# Altium PCB PCB.PcbDoc
Units mm, origin at the board's own origin, x right, y up, seen from the top; angles counter-clockwise.
Board outline 100 x 100 mm, 2 copper layers (Top Layer, Bottom Layer), stack 1.67 mm thick; 79 components, 64 nets, 283 pads, 10 vias.
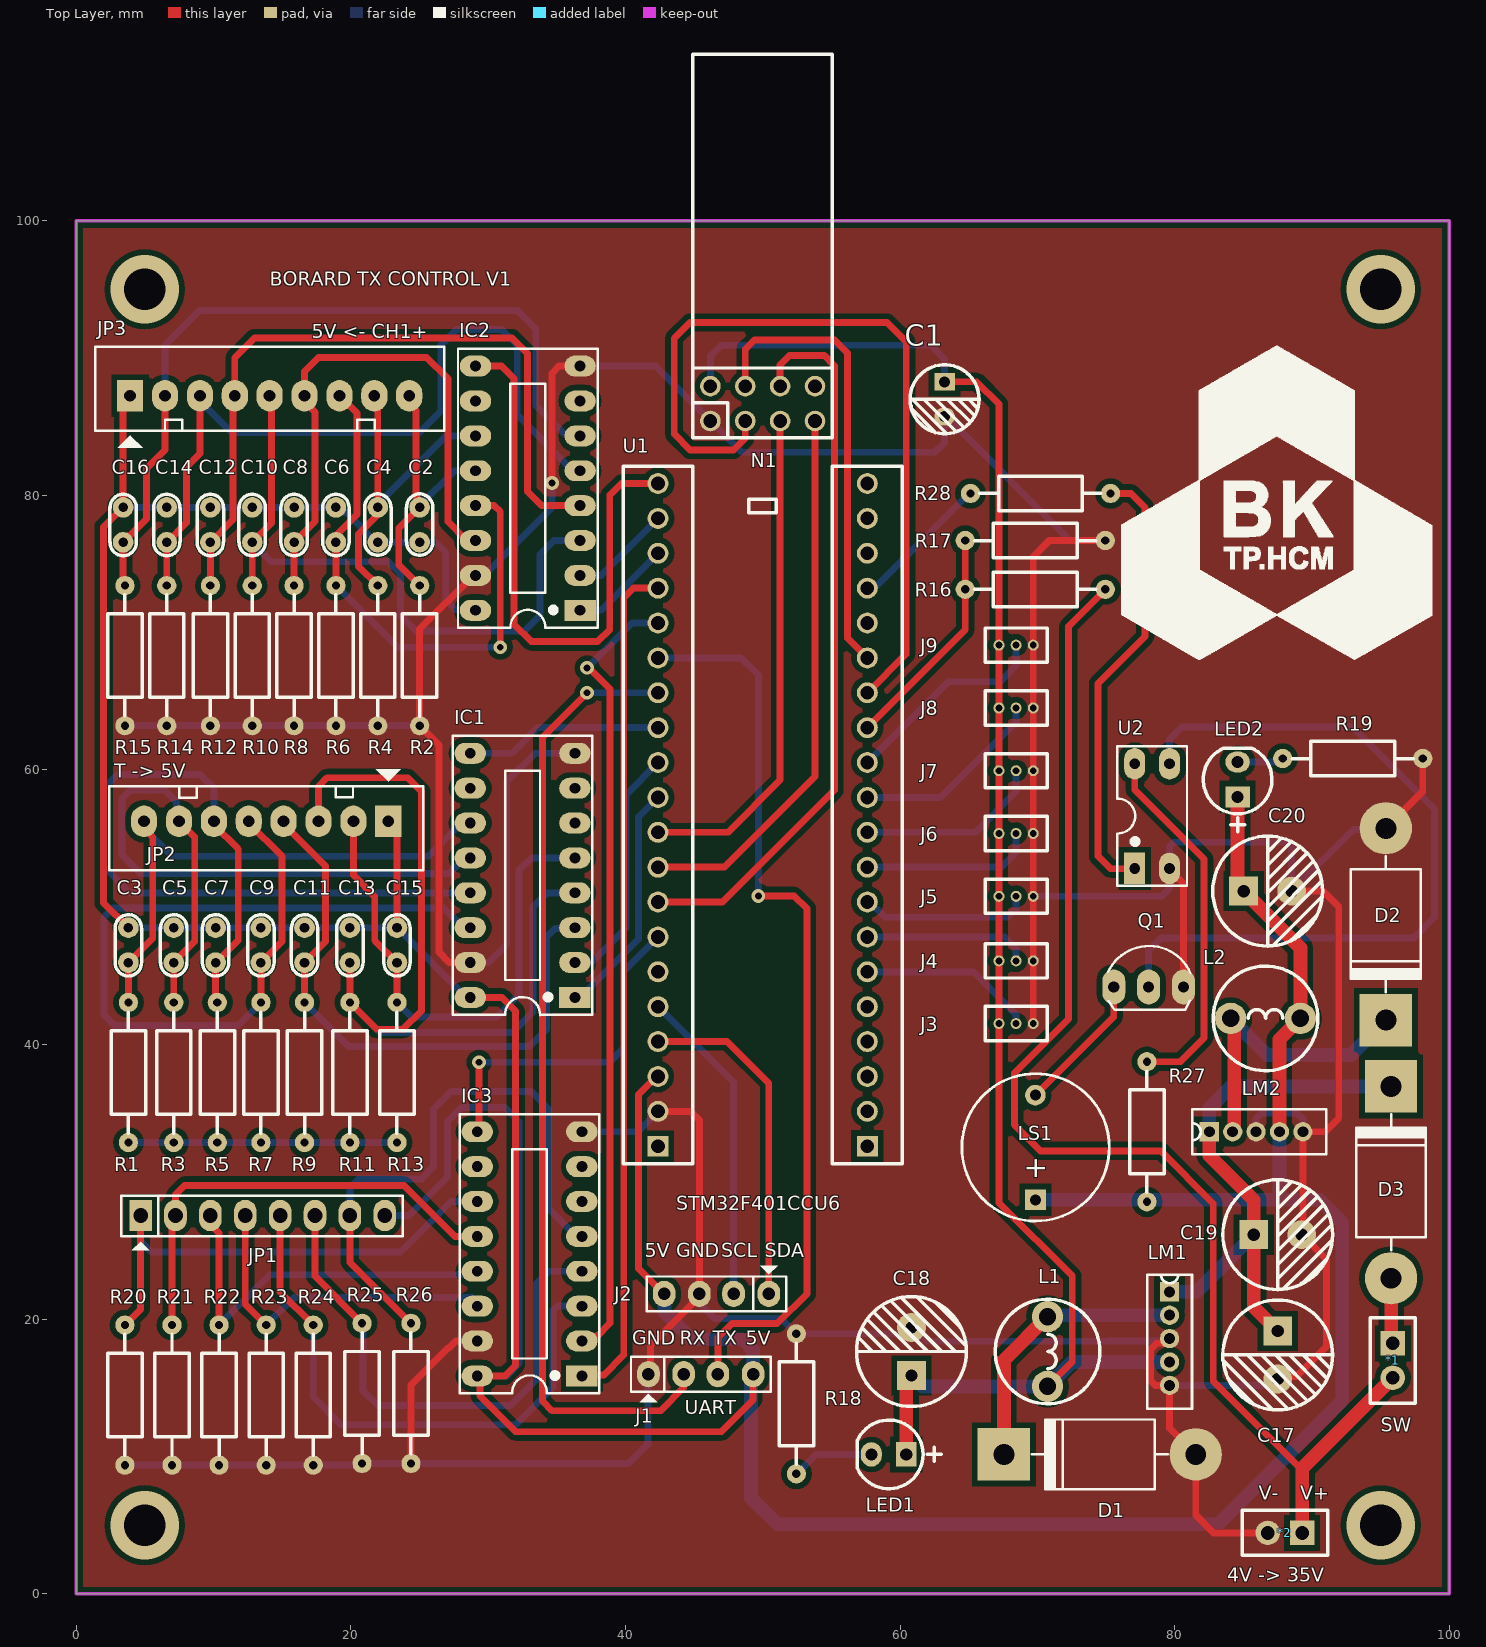
[diagram p0: Top Layer view]
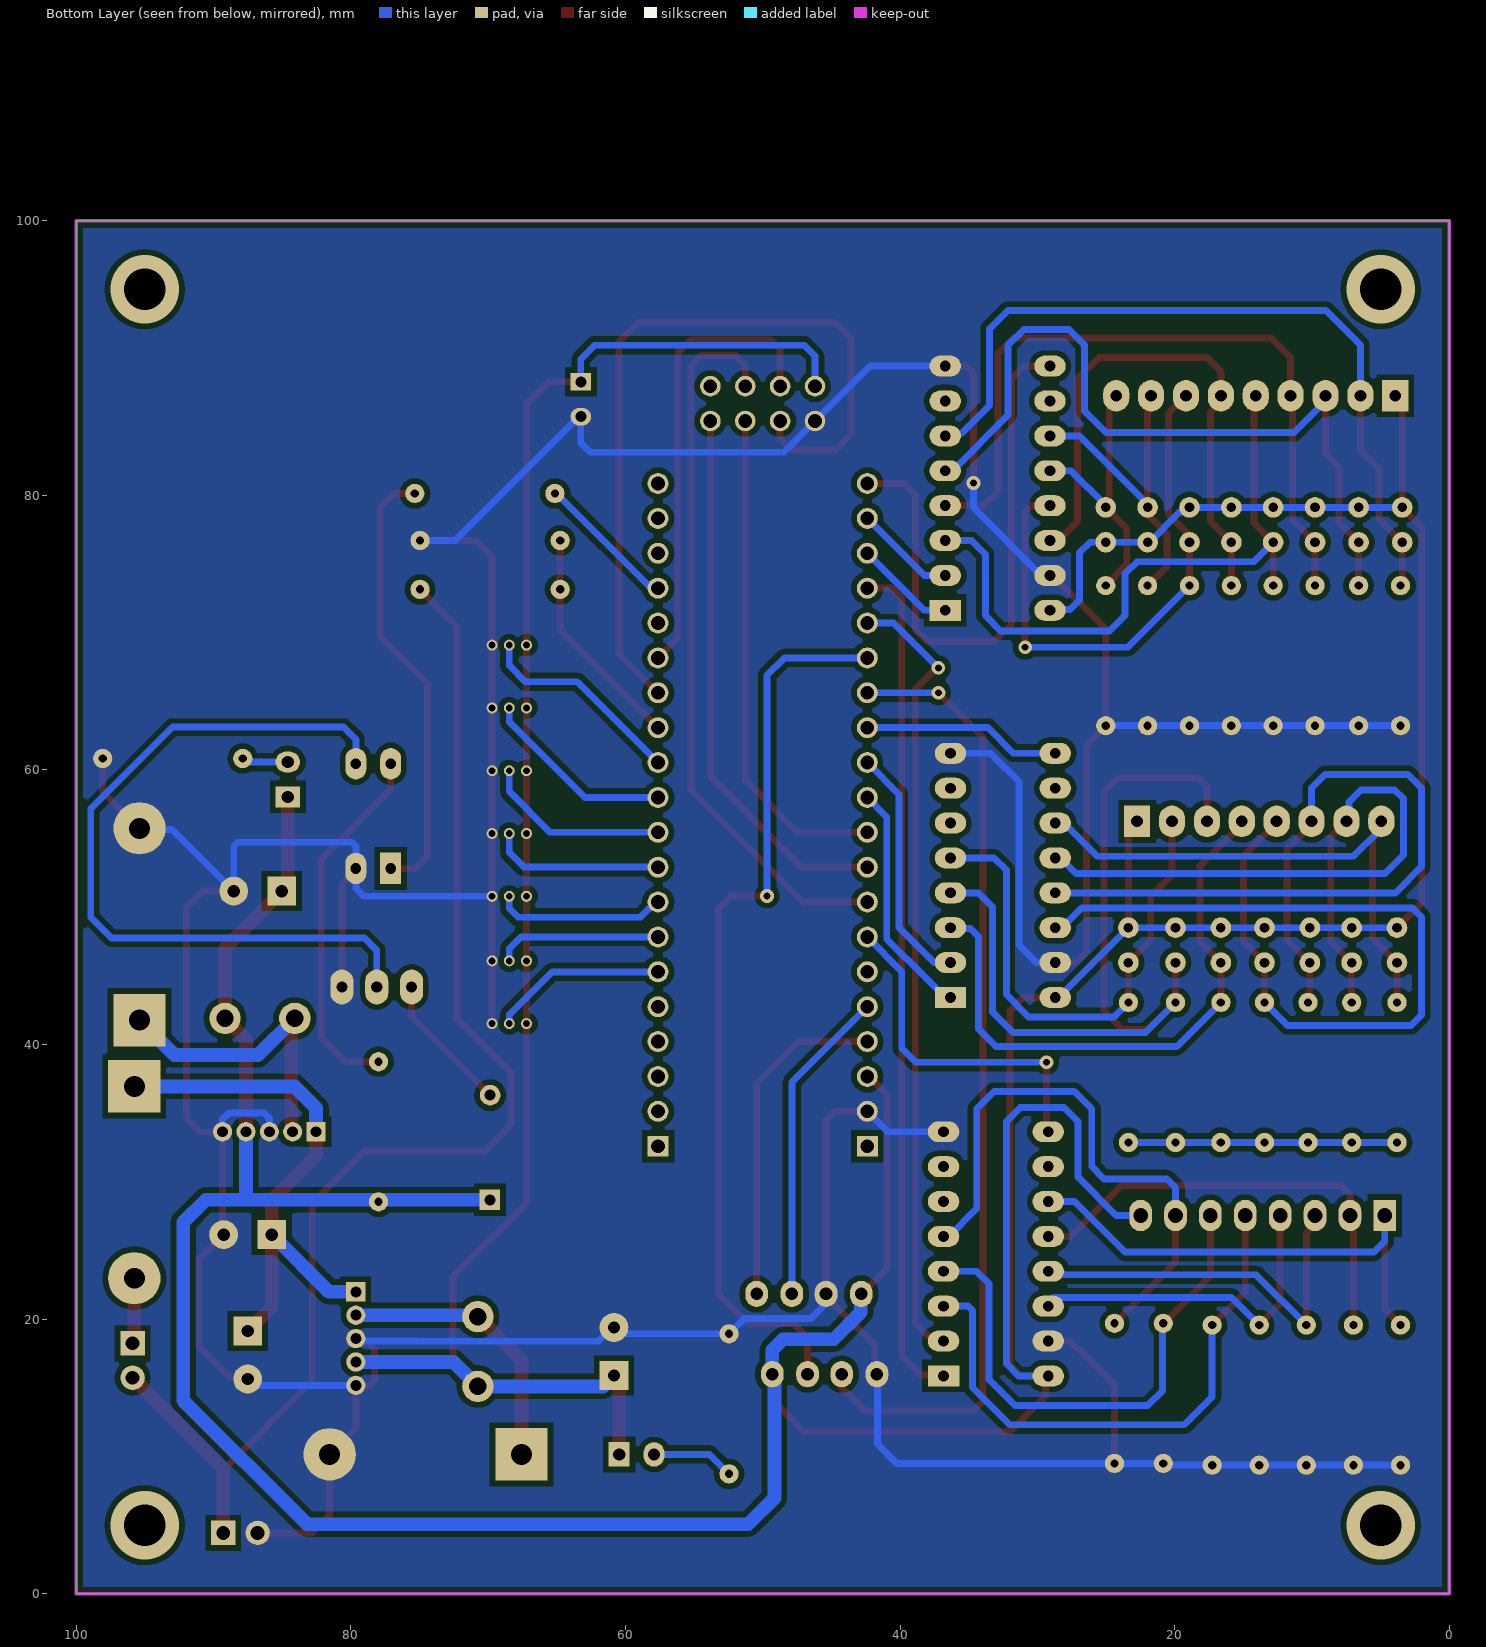
[diagram p1: Bottom Layer view, seen from below]
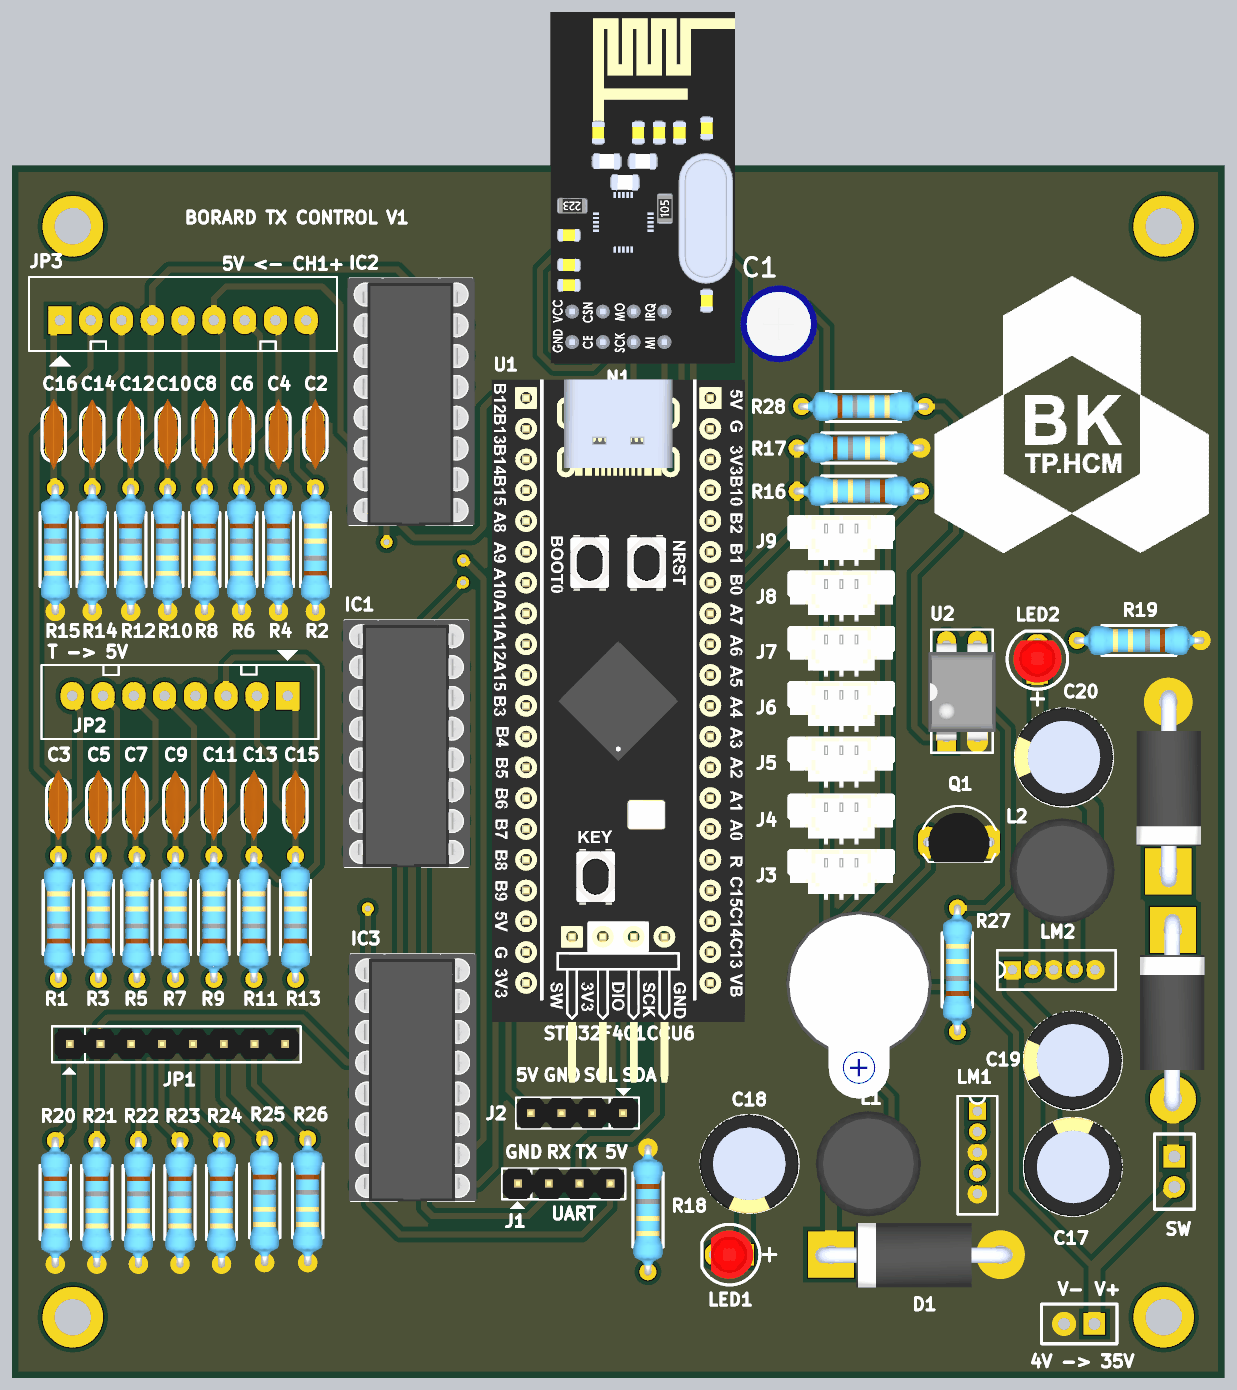
[diagram p2: 3D render of the assembled board from above, using the file's embedded part models]

## Layer stack, top to bottom
Top Solder: solder mask 0.01, Solder Resist, Dk 3.5
Top Layer: signal copper 0.035
Dielectric 1: dielectric 1.6, FR-4, Dk 4.8
Bottom Layer: signal copper 0.035
Bottom Solder: solder mask 0.01, Solder Resist, Dk 3.5

## Board outline
0,0 100,0 100,100 0,100

## Design rules (kind name [scope] priority, off if disabled: settings)
Clearance [All] p1: gap=0.4 ignorepadtopadclearanceinfootprint=FALSE
PlaneConnect [All] p1: planeconnectstyle=Direct reliefexpansion=0.508 reliefentries=4 reliefconductorwidth=0.254 reliefairgap=0.254
PolygonConnect [All] p1: connectstyle=Direct reliefconductorwidth=0.254 reliefentries=4 polygonreliefangle="90 Angle" airgapwidth=0.254
RoutingVias [All] p1: holewidth=0.5 width=1 viastyle="Through Hole" minholewidth=0 minwidth=0.5 maxholewidth=0.5 maxwidth=1
SolderMaskExpansion [All] p1: expansion=0.102 istentingtop=FALSE
Width [All] p1: maxlimit=1 minlimit=0.2 preferedwidth=0.5
29 further rules are at their usual default settings.

## Components (designator, comment, footprint, x,y, rotation, side; value= is the part's Value field where it differs from the comment)
*1 "SW_POWER" "jump don duc_2p" 95.809,16.873 r270 top
*2 "7.4V" "jump don duc_2p" 87.906,4.521 r180 top
C1 "100uF" "tu hoa 5mm" 63.246,86.995 r270 top locked
C2 "104" "tu gom" 25.019,77.851 r270 top locked
C3 "104" "tu gom" 3.81,47.244 r90 top locked
C4 "104" "tu gom" 21.971,77.851 r270 top locked
C5 "104" "tu gom" 7.112,47.244 r90 top locked
C6 "104" "tu gom" 18.923,77.851 r90 top locked
C7 "104" "tu gom" 10.16,47.244 r90 top locked
C8 "104" "tu gom" 15.875,77.851 r90 top locked
C9 "104" "tu gom" 13.462,47.244 r90 top locked
C10 "104" "tu gom" 12.827,77.851 r90 top locked
C11 "104" "tu gom" 16.637,47.244 r90 top locked
C12 "104" "tu gom" 9.779,77.851 r90 top locked
C13 "104" "tu gom" 19.939,47.244 r90 top locked
C14 "104" "tu gom" 6.604,77.851 r90 top locked
C15 "104" "tu gom" 23.368,47.244 r90 top locked
C16 "104" "tu gom" 3.429,77.851 r90 top locked
C17 "100uF" "tu hoa 8mm" 87.503,17.399 r270 top
C18 "1000uF" "tu hoa 8mm" 60.833,17.653 r90 top locked
C19 "100uF" "tu hoa 8mm" 87.503,26.162 r0 top
C20 "1000uF" "tu hoa 8mm" 86.769,51.181 r0 top
D1 "1N5822" D5A 67.564,10.16 r0 top locked value=1N5408
D2 "1N5822" D5A 95.377,41.783 r90 top value=1N5408
D3 "1N5822" D5A 95.758,36.957 r270 top value=1N5408
IC1 "74HC165" DIP16/W0.3 36.322,43.434 r90 top locked
IC2 "74HC165" DIP16/W0.3 36.703,71.628 r90 top locked
IC3 "74HC165" DIP16/W0.3 36.83,15.875 r90 top locked
J1 "2.54_4P" JP4 44.221,16.002 r0 top value="Jump Đơn Đực 2.54MM 1x40P Thẳng 11MM"
J2 "2.54_4P" JP4 47.904,21.844 r180 top value="Jump Đơn Đực 2.54MM 1x40P Thẳng 11MM"
J3 "1.25_4P" "ZH1.25 3P" 69.703,41.529 r270 top locked value="Jump Đơn Đực 2.54MM 1x40P Thẳng 11MM"
J4 "1.25_4P" "ZH1.25 3P" 69.703,46.101 r270 top locked value="Jump Đơn Đực 2.54MM 1x40P Thẳng 11MM"
J5 "1.25_4P" "ZH1.25 3P" 69.703,50.8 r270 top locked value="Jump Đơn Đực 2.54MM 1x40P Thẳng 11MM"
J6 "1.25_4P" "ZH1.25 3P" 69.703,55.372 r270 top locked value="Jump Đơn Đực 2.54MM 1x40P Thẳng 11MM"
J7 "1.25_4P" "ZH1.25 3P" 69.703,59.944 r270 top locked value="Jump Đơn Đực 2.54MM 1x40P Thẳng 11MM"
J8 "1.25_4P" "ZH1.25 3P" 69.703,64.516 r270 top locked value="Jump Đơn Đực 2.54MM 1x40P Thẳng 11MM"
J9 "1.25_4P" "ZH1.25 3P" 69.703,69.088 r270 top locked value="Jump Đơn Đực 2.54MM 1x40P Thẳng 11MM"
JP1 "2.54_8P" JP8 4.699,27.559 r0 top locked value="Jump Đơn Đực 2.54MM 1x40P Thẳng 11MM"
JP2 "BUTTON CONFIG" CON8 22.733,56.261 r180 top locked value="Jump Đơn Đực 2.54MM 1x40P Thẳng 11MM"
JP3 "BUTTON TRIM" CON9 3.937,87.249 r0 top locked value="Jump Đơn Đực 2.54MM 1x40P Thẳng 11MM"
L1 "220uH" "CUON CAM 100uH3A" 70.739,17.653 r270 top locked
L2 "220uH" "CUON CAM 100uH3A" 86.614,41.91 r0 top
LED1 "LED 3mm Do" "LED 3mm Do" 59.182,10.16 r180 top locked
LED2 "LED 3mm Do" "LED 3mm Do" 84.582,59.309 r90 top
LM1 "3.3V" LM2576-5V 79.629,21.997 r0 top locked
LM2 "5V" LM2576-5V 82.524,33.655 r90 top
LS1 "" SPEAKER 69.863,28.702 r90 top locked
N1 "NRF24L01" NRF24L01 50,86.731 r90 top locked
Q1 "C1815" QTO-92 78.105,44.196 r0 top
R1 "10k" "tro vach 1/4w" 3.81,37.973 r270 top locked
R2 "10k" "tro vach 1/4w" 25.019,68.326 r270 top locked
R3 "10k" "tro vach 1/4w" 7.112,37.973 r270 top locked
R4 "10k" "tro vach 1/4w" 21.971,68.326 r90 top locked
R5 "10k" "tro vach 1/4w" 10.287,37.973 r270 top locked
R6 "10k" "tro vach 1/4w" 18.923,68.326 r90 top locked
R7 "10k" "tro vach 1/4w" 13.462,37.973 r270 top locked
R8 "10k" "tro vach 1/4w" 15.875,68.326 r90 top locked
R9 "10k" "tro vach 1/4w" 16.637,37.973 r270 top locked
R10 "10k" "tro vach 1/4w" 12.827,68.326 r90 top locked
R11 "10k" "tro vach 1/4w" 19.939,37.973 r270 top locked
R12 "10k" "tro vach 1/4w" 9.779,68.326 r90 top locked
R13 "10k" "tro vach 1/4w" 23.368,37.973 r270 top locked
R14 "10k" "tro vach 1/4w" 6.604,68.326 r90 top locked
R15 "10k" "tro vach 1/4w" 3.556,68.326 r90 top locked
R16 "51k" "tro vach 1/4w" 69.85,73.152 r0 top locked
R17 "33k" "tro vach 1/4w" 69.85,76.708 r180 top locked
R18 "33k" "tro vach 1/4w" 52.451,13.843 r90 top locked
R19 "33k" "tro vach 1/4w" 92.964,60.833 r0 top
R20 "10k" "tro vach 1/4w" 3.556,14.478 r90 top locked
R21 "10k" "tro vach 1/4w" 6.985,14.478 r90 top locked
R22 "10k" "tro vach 1/4w" 10.414,14.478 r90 top locked
R23 "10k" "tro vach 1/4w" 13.843,14.478 r90 top locked
R24 "10k" "tro vach 1/4w" 17.272,14.478 r90 top locked
R25 "10k" "tro vach 1/4w" 20.828,14.605 r90 top locked
R26 "10k" "tro vach 1/4w" 24.384,14.605 r90 top locked
R27 "51k" "tro vach 1/4w" 77.978,33.655 r270 top locked
R28 "51k" "tro vach 1/4w" 70.231,80.137 r180 top locked
U1 "STM32F401CCU6" STM32F401CCU6 50,56.731 r0 top locked
U2 "PC817" DIP4/W0.3 77.089,52.832 r0 top

## Footprints (in the part's own frame and the unit in brackets; to place one, negate y for a bottom-side part, rotate by r counter-clockwise, add the part's x,y. Pads: shape width x height; smd on the part's side, far side on the other; paste and mask are expansions set on the pad)
CON8 [mil] "CON8"
  rect 75x90 hole 34: 1(0,0)
  oval 75x90 hole 34: 2(100,0) 3(200,0) 4(300,0) 5(400,0) 6(500,0) 7(600,0) 8(700,0)
  silkscreen extent -100,-150 800,140
CON9 [mil] "CON9"
  rect 75x90 hole 34: 1(0,0)
  oval 75x90 hole 34: 2(100,0) 3(200,0) 4(300,0) 5(400,0) 6(500,0) 7(600,0) 8(700,0) 9(800,0)
  silkscreen extent -100,-150 900,140
"CUON CAM 100uH3A" [mil] "100uH3A"
  round 90 hole 50: 1(-100,0) 2(100,0)
  silkscreen extent -150,-150 150,150, body extent -171,-175 171,167, height 394
D5A [mil] "Diode 5A, W 200mil, L 550mil"
  round 150 hole 60: 1(550,0)
  rect 150x150 hole 60: 2(0,0)
  silkscreen extent 80,-100 470,100, body extent -52,-106 590,103, height 254
DIP4/W0.3 [mil] "4 PIN, W 300mil, Pin to pin 100mil"
  rect 60x90 hole 31: 1(0,0)
  oval 60x90 hole 31: 2(100,0) 3(100,300) 4(0,300)
  silkscreen extent -50,-50 150,350, body extent -59,-10 159,305, height 170
DIP16/W0.3 [mil] "16 PIN, W 300mil, Pin to pin 100mil"
  rect 60x90 hole 31: 1(0,0)
  oval 60x90 hole 31: 2(100,0) 3(200,0) 4(300,0) 5(400,0) 6(500,0) 7(600,0) 8(700,0) 9(700,300) 10(600,300) 11(500,300) 12(400,300) 13(300,300) 14(200,300) 15(100,300) 16(0,300)
  silkscreen extent -50,-50 750,350, body extent -52,-57 752,356, height 299
JP4 [mil] "Jumper 4"
  oval 65x75 hole 36: 1(-100,0) 2(1,0) 3(99,0) 4(200,0)
  silkscreen extent -150,-81 250,50, body extent -148,-48 248,50, height 323
JP8 [mil] "JP8"
  rect 65x90 hole 42: 1(0,0)
  oval 65x90 hole 42: 2(100,0) 3(200,0) 4(300,0) 5(400,0) 6(500,0) 7(600,0) 8(700,0)
  silkscreen extent -56,-100 752,57, body extent -48,-50 748,48, height 323
"jump don duc_2p" [mil]
  rect 70x70 hole 39.37 unplated: 1(-54.15,3)
  round 70 hole 39.37 unplated: 2(44.28,3)
  silkscreen extent -128,-61 117,67
"LED 3mm Do" [mil] "Footprintf LED phi 3"
  rect 60x70 hole 35: 1(-50,0)
  oval 60x70 hole 35: 2(50,0)
  silkscreen extent -150,-98 90,98, body extent -77,-78 60,78, height 205
LM2576-5V [mm]
  rect 1.4x1.4 hole 0.8 unplated: 1(0,0)
  round 1.4 hole 0.8: 2(0,-1.702) 3(0,-3.404) 4(0,-5.106) 5(0,-6.808)
  silkscreen extent -1.63,-8.51 1.63,1.25, body extent -1.86,-8.31 2.46,1.6, height 20.47
NRF24L01 [mm]
  round 1.5 hole 1: 1(-1.32,3.81) 2(1.22,3.81) 3(-1.32,1.27) 4(1.22,1.27) 5(-1.32,-1.27) 6(1.22,-1.27) 7(-1.32,-3.81) 8(1.22,-3.81)
  silkscreen extent -2.54,-5.08 25.4,5.08, body extent -3.07,-9.62 25.93,5.58, height 9.75
QTO-92 [mil] "TO-92"
  oval 66x100 hole 32: 1(-100,0) 2(0,0) 3(100,0)
  silkscreen extent -117,-65 120,118, body extent -109,-66 109,95, height 245
SPEAKER [mm]
  rect 1.5x1.5 hole 0.8: 1(0,0)
  round 1.5 hole 0.8: 2(7.62,0.013)
  silkscreen extent -1.55,-5.38 9.18,5.36, body extent -5.67,-6 9.78,6, height 3.99
STM32F401CCU6 [mil]
  rect 60x60 hole 39.37: 1(300,-950) 47(-300,-950)
  round 60 hole 39.37: 2(300,-850) 3(300,-750) 4(300,-650) 7(300,650) 8(-300,-750) 9(-300,-850) 10(300,-450) 11(300,-350) 12(300,-250) 13(300,-150) 14(300,-50) 15(300,50) 16(300,150) 17(300,250) 18(300,-550) 19(300,350) 21(300,450) 22(300,550) 25(-300,950) 26(-300,850) 27(-300,750) 28(-300,650) 29(-300,550) 30(-300,450) 31(-300,350) 32(-300,250) 33(-300,150) 35(300,850) 36(300,950) 38(-300,50) 39(-300,-50) 40(-300,-150) 41(-300,-250) 42(-300,-350) 43(-300,-450) 45(-300,-550) 46(-300,-650) 48(300,750)
  silkscreen extent -400,-1000 400,1000, body extent -411,-1275 411,1008, height 390
"tro vach 1/4w" [mm]
  round 1.4 hole 0.6: 1(-5.1,0) 2(5.1,0)
  silkscreen extent -4.39,-1.25 4.42,1.25, body extent -5.38,-1.2 5.38,1.2, height 2.41
"tu gom" [mm] "Tu gom mini"
  round 1.5 hole 0.7: 1(-1.27,0) 2(1.27,0)
  silkscreen extent -2.25,-0.97 2.22,0.97, body extent -2.92,-0.85 2.92,0.85, height 6.12
"tu hoa 5mm" [mm]
  rect 1.3x1.5 hole 0.8: 1(-1.27,0)
  oval 1.3x1.5 hole 0.8: 2(1.27,0)
  silkscreen extent -2.51,-2.51 2.51,2.51, body extent -3.12,-3.18 3.23,3.18, height 14.55
"tu hoa 8mm" [mm]
  rect 2.1x2.1 hole 0.9: 1(-1.75,0)
  round 2.1 hole 0.9: 2(1.75,0)
  silkscreen extent -4,-4 4,4, body extent -4.1,-4.07 4.1,4.13, height 13.81
"ZH1.25 3P" [mm]
  round 0.8 hole 0.5 unplated: 1(0,0)
  round 0.8 hole 0.5: 2(0,-1.25) 3(0,-2.5)
  silkscreen extent -1.25,-3.5 1.25,1, body extent -2.1,-5.75 2.1,3.15, height 4.7

## Part data
*1 *2: library part "jump don duc 2.54_2p"
C1: library part "Tu Hoa 100uF 25V 6x11", "Cắm", Chung_Loai=Cắm, Don_Vi=Con, Ma_Hang=MH001351, So_Chan=2, Ten_Linh_Kien="Tụ Hóa 100uF 25V 6x11MM"
C2 C3 C4 C5 C6 C7 C8 C9 C10 C11 C12 C13 C14 C15 C16: library part "Tu gom 104 50V", "Cắm", Chung_Loai=Cắm, Don_Vi=Con, Ma_Hang=MH004761, So_Chan=2, Ten_Linh_Kien="Tụ gốm 104 100nF 50V"
C17 C19: library part "Tu Hoa 100uF 50V 8x11", "Cắm", Chung_Loai=Cắm, Don_Vi=Con, Ma_Hang=MH006872, So_Chan=2, Ten_Linh_Kien="Tụ Hóa 100uF 50V 8x11MM"
C18 C20: library part "Tu Hoa 1000uF 16V 8x20", "Cắm", Chung_Loai=Cắm, Don_Vi=Con, Ma_Hang=MH008300, So_Chan=2, Ten_Linh_Kien="Tụ Hóa 1000uF 16V 8x20MM"
D1 D2 D3: library part D5A, "Diode 5A"
IC1 IC2 IC3: "8-Bit Parallel In/Serial Out Shift Register"
J1 J2: library part "Jum Don Duc 2.54_4P", "Cắm", Chung_Loai=Cắm, Don_Vi=Con, Ma_Hang=MH000903
J3 J4 J5 J6 J7 J8 J9: library part "ZH1.25 3P", "Cắm", Chung_Loai=Cắm, Don_Vi=Con, Ma_Hang=MH000903
JP1: library part "Jum Don Duc 2.54_8P", "Cắm", Chung_Loai=Cắm, Don_Vi=Con, Ma_Hang=MH000903
JP2: library part Con_8, "Cắm", Don_Vi=Con, Ma_Hang=MH000903
JP3: library part Con_9, "Cắm", Don_Vi=Con, Ma_Hang=MH000903
L1 L2: library part "CUON CAM 470uH DIP", "Cắm", Chung_Loai=Cắm, Don_Vi=Con, Ma_Hang=MH002232, Ten_Linh_Kien="Cuộn Cảm 470uH 3A 8x10MM"
LED1 LED2: "Cắm", Chung_Loai=Cắm, Don_Vi=Con, Ma_Hang=MH004931, Ten_Linh_Kien="LED 3MM Sáng Đỏ ( SS)"
LM1: library part LM2576_3.3V., "Cắm", Chung_Loai=Dán, Don_Vi=Con, Ma_Hang=MH001260, Ten_Linh_Kien="LM2576S-3.3V BUCK 3.3V 3A TO263-5"
LM2: library part LM2576_5V, "Cắm", Chung_Loai=Dán, Don_Vi=Con, Ma_Hang=MH001260, Ten_Linh_Kien="LM2576S-3.3V BUCK 3.3V 3A TO263-5"
LS1: library part "Coi Chip 5V", "Cắm", Chung_Loai=Cắm, Don_Vi=Con, Ma_Hang=MH000902, Ten_Linh_Kien="Còi Chip 5V 9.5x12MM"
Q1: "NPN 600mW, ECB"
R1 R2 R3 R4 R5 R6 R7 R8 R9 R10 R11 R12 R13 R14 R15 R16 R17 R18 R19 R20 R21 R22 R23 R24 R25 R26 R27 R28: library part "Tro Vach 1/4W 5% 10k", "Căm", Chung_Loai=Cắm, Don_Vi=Con, Ma_Hang=MH007354, So_Chan=2, Ten_Linh_Kien="Trở Vạch 1/4w 5% 10K"
U2: "Single Opto"

## Via types
v1: diameter 1, hole 0.5, Top Layer to Bottom Layer, 6 vias
v2: diameter 5, hole 3, Top Layer to Bottom Layer, 4 vias

## Nets (pads, with @x,y where several pads share a name; then routed paths per layer and width w, separated by ;. In a path a pad name is that pad's centre, name@x,y a point inside that pad or via, vN(x,y) a via of type N, cw(c..) or ccw(c..) an arc to the next point about the centre after c; other vN are vias at no path point)
1: IC3.11 JP1.1 R20.2 | length 36.7
  Top Layer w0.5: R20.2 4.699,20.721 JP1.1
  Bottom Layer w0.5: JP1.1 4.699,25.682 5.489,24.892 23.622,24.892 27.305,28.575 IC3.11
2: IC3.12 JP1.2 R21.2 | length 33.4
  Top Layer w0.5: R21.2 6.985,26.676 7.239,26.93 7.239,29.08 7.902,29.743 23.879,29.743 27.587,26.035 IC3.12
3: IC3.13 JP1.3 R22.2 | length 28.7
  Top Layer w0.5: JP1.3 9.779,26.93 10.414,26.295 R22.2
  Bottom Layer w0.5: R22.2 14.077,23.241 28.024,23.241 28.082,23.299 29.014,23.299 IC3.13
3.3V: C1.1 C18.1 J3.3 J4.3 J5.3 J6.3 J7.3 J8.3 J9.3 L1.2 LED1.1 LM1.4 N1.2 | length 126.6
  Top Layer w0.5: C18.1@60.452,15.522 C18.1 ; C1.1 65.58,88.265 67.203,86.642 J9.3 J8.3 J7.3 J6.3 J5.3 J4.3 J3.3 67.203,28.484 72.545,23.142 72.545,16.919 L1.2
  Top Layer w1: LED1.1@60.452,10.033 C18.1@60.452,15.522
  Bottom Layer w0.5: N1.2 46.19,90.132 46.99,90.932 62.23,90.932 63.246,89.916 C1.1
  Bottom Layer w1: C18.1 61.623,15.113 L1.2 72.517,16.891 LM1.4
4: IC3.14 JP1.4 R23.2 | length 25.5
  Top Layer w0.5: JP1.4 12.319,21.102 R23.2
  Bottom Layer w0.5: R23.2 15.858,21.593 28.832,21.593 28.832,20.955 IC3.14
5: IC3.3 JP1.5 R24.2 | length 41.5
  Top Layer w0.5: JP1.5 14.859,21.991 R24.2
  Bottom Layer w0.5: R24.2 17.272,14.351 19.304,12.319 32.004,12.319 34.734,15.05 34.734,20.637 35.052,20.955 IC3.3
5V: C2.2 C3.2 C4.2 C5.2 C6.2 C7.2 C8.2 C9.2 C10.2 C11.2 C12.2 C13.2 C14.2 C15.2 C16.2 C20.1 IC1.16 IC2.16 IC3.16 J1.4 J2.4 JP1.8 JP2.1 JP3.1 L2.2 LED2.1 LM2.4 LS1.1 R27.2 U1.8 | length 353.9
  Top Layer w0.5: C3.2 2.009,50.315 2.009,77.701 C16.2 3.429,86.741 JP3.1 ; JP2.1 23.368,55.626 C15.2 ; IC1.16 31.028,43.434 32.004,42.458 32.004,16.637 31.242,15.875 IC3.16 29.413,15.672 29.413,14.402 32.004,11.811 46.99,11.811 49.301,14.122 J1.4 ; U1.8 42.253,37.681 40.947,36.375 40.947,23.696 42.799,21.844 J2.4
  Top Layer w1: LED2.1 84.582,51.618 89.154,47.046 L2.2 87.63,40.386 LM2.4
  Bottom Layer w0.5: C16.2 C14.2 C12.2 C10.2 C8.2 19.194,79.121 19.564,78.751 19.674,78.751 21.844,76.581 C2.2 26.162,76.581 26.924,75.819 26.924,72.39 27.625,71.689 29.022,71.689 IC2.16 ; C3.2 C5.2 C7.2 C9.2 C11.2 C13.2 C15.2 28.448,43.434 IC1.16 ; JP1.8 24.257,27.559 27.051,30.353 27.051,34.417 28.067,35.433 31.242,35.433 32.258,34.417 32.258,16.764 31.369,15.875 IC3.16
  Bottom Layer w1: J2.4@42.854,22.191 42.854,20.519 44.831,18.542 48.514,18.542 49.301,17.755 J1.4 49.177,15.877 49.177,15.29 49.149,15.262 49.149,6.985 51.054,5.08 83.185,5.08 92.202,14.097 92.202,27.051 90.551,28.702 87.63,28.702 ; LS1.1 77.831,28.702 R27.2 78.125,28.702 87.63,28.702 ; LM2.4 87.63,28.702
6: IC3.4 JP1.6 R25.2 | length 38.7
  Top Layer w0.5: JP1.6 17.399,23.134 R25.2
  Bottom Layer w0.5: R25.2 20.899,19.634 20.899,14.788 21.971,13.716 31.623,13.716 33.528,15.621 33.528,22.606 34.417,23.495 IC3.4
7: IC3.5 JP1.7 R26.2 | length 42.6
  Top Layer w0.5: JP1.7 19.939,24.15 R26.2
  Bottom Layer w0.5: JP1.7 19.939,29.591 20.574,30.226 25.146,30.226 26.035,31.115 26.035,35.306 27.305,36.576 33.168,36.576 34.417,35.327 34.417,28.067 36.449,26.035 IC3.5
B: C5.1 IC1.12 JP2.7 R3.1 | length 50.9
  Top Layer w0.5: R3.1 C5.1 8.639,47.501 8.639,55.115 JP2.7
  Bottom Layer w0.5: JP2.7 7.306,56.448 7.306,57.672 6.431,58.547 3.976,58.547 3.351,57.922 3.351,53.8 4.696,52.454 27.181,52.454 28.321,53.594 IC1.12
BAT: *1.2 *2.1 R16.2 | length 94.7
  Top Layer w0.5: R16.2 72.263,70.465 72.263,41.859 68.326,37.922 68.326,34.163 70.231,32.258 78.994,32.258 82.804,28.448 82.804,15.494 89.281,9.017
  Top Layer w1: *2.1 89.281,9.144 *1.2
CH1+: C2.1 IC2.12 JP3.9 R2.1 | length 20.6
  Top Layer w0.5: JP3.9 24.257,86.678 24.765,86.17 24.765,79.914 24.828,79.851 24.828,79.312 C2.1 23.495,77.597 23.495,74.95 R2.1
  Bottom Layer w0.5: C2.1 25.019,79.248 27.559,81.788 IC2.12
CH1-: C4.1 IC2.11 JP3.8 R4.2 | length 24.5
  Top Layer w0.5: JP3.8 21.971,86.995 21.971,78.59 20.571,77.19 20.571,74.826 R4.2
  Bottom Layer w0.5: C4.1 21.971,79.375 26.924,84.328 IC2.11
CH2+: C6.1 IC2.13 JP3.7 R6.2 | length 40.7
  Top Layer w0.5: R6.2 C6.1 18.923,77.066 20.45,78.593 20.45,85.976 JP3.7 ; IC2.13 30.444,79.248 30.889,78.803 v1(30.889,68.938)
  Bottom Layer w0.5: R6.2 23.411,68.938 v1(30.889,68.938)
CH2-: C8.1 IC2.14 JP3.6 R8.2 | length 41
  Top Layer w0.5: R8.2 C8.1 17.402,78.108 17.402,86.063 16.637,86.828 16.637,89.027 17.653,90.043 25.527,90.043 27.079,88.491 27.079,78.077 28.448,76.708 IC2.14
CH3+: C10.1 IC2.3 JP3.5 R10.2 | length 48.1
  Top Layer w0.5: R10.2 C10.1 14.227,77.981 14.227,79.701 14.224,79.704 14.224,87.122 JP3.5
  Bottom Layer w0.5: C10.1 14.247,75.161 22.756,75.161 23.622,74.295 23.622,71.247 24.737,70.132 32.667,70.132 33.782,71.247 33.782,75.692 34.798,76.708 IC2.3
CH3-: C12.1 IC2.4 JP3.4 R12.2 | length 54
  Top Layer w0.5: R12.2 C12.1 11.427,78.229 11.427,79.701 11.43,79.704 11.43,87.122 JP3.4 11.557,90.018 12.982,91.443 31.747,91.443 32.87,90.32 32.87,80.287 33.909,79.248 IC2.4
CH4+: C14.1 IC2.5 JP3.3 R14.2 | length 57
  Top Layer w0.5: R14.2 C14.1 8.029,78.006 8.029,82.07 9.017,83.058 JP3.3
  Bottom Layer w0.5: JP3.3 9.017,86.868 11.303,84.582 25.019,84.582 26.571,86.134 26.571,90.96 27.686,92.075 30.988,92.075 32.131,90.932 32.131,85.852 36.195,81.788 IC2.5
CH4-: C16.1 IC2.6 JP3.2 R15.2 | length 57.1
  Top Layer w0.5: R15.2 3.429,73.553 C16.1 5.133,78.285 5.133,81.968 6.477,83.312 JP3.2
  Bottom Layer w0.5: JP3.2 6.477,90.932 8.999,93.454 32.149,93.454 33.476,92.127 33.476,86.539 35.491,84.524 36.507,84.524 IC2.6
EXIT: C13.1 IC1.4 JP2.3 R11.1 | length 62.1
  Top Layer w0.5: JP2.3 17.653,58.801 18.288,59.436 24.13,59.436 25.146,58.42 25.146,42.443 23.825,41.122 21.89,41.122 R11.1 C13.1
  Bottom Layer w0.5: R11.1 22.118,40.894 31.783,40.894 33.274,42.385 33.274,50.038 34.29,51.054 IC1.4
GND: *2.2 C1.2 C17.2 C18.2 C19.2 C20.2 D1.1 D2.1 IC1.8 IC1.15 IC2.8 IC2.15 IC3.8 IC3.15 J1.1 J2.3 J3.1 J4.1 J5.1 J6.1 J7.1 J8.1 J9.1 LM1.3 LM1.5 LM2.3 LM2.5 N1.1 Q1.3 R2.2 R4.1 R6.1 R8.1 R10.1 R12.1 R14.1 R15.1 R17.1 R18.2 R19.2 R20.1 R21.1 R22.1 R23.1 R24.1 R25.1 R26.1 U1.9 U2.2 | length 431.4
  Top Layer w0.5: R26.1 24.384,15.205 27.079,17.9 27.146,17.9 27.661,18.415 IC3.15 ; IC1.15 27.173,45.974 26.416,46.731 26.416,61.829 R2.2 25.019,70.256 28.931,74.168 IC2.15 ; v1(34.648,80.902) 34.648,88.877 35.179,89.408 IC2.8 ; J1.1@41.838,16.201 41.838,18.089 43.586,19.837 45.39,21.641 45.39,34.493 44.742,35.141 U1.9 ; J3.1 J4.1 J5.1 J6.1 J7.1 J8.1 J9.1 69.703,75.545 70.866,76.708 R17.1 ; LM1.3 79.629,18.265 78.704,18.265 78.26,17.821 78.26,15.522 78.593,15.189 LM1.5 79.629,12.065 D1.1 81.534,5.743 82.832,4.445 *2.2 ; U2.2 79.629,52.728 80.321,52.036 80.352,52.036 80.645,51.743 Q1.3 ; C17.2 87.69,15.836 88.861,15.836 91.059,18.034 91.059,24.356 C19.2 89.332,26.241 LM2.5 90.932,33.655 91.948,34.671 91.948,50.038 90.805,51.181 C20.2 ; D2.1 98.064,58.44 R19.2
  Bottom Layer w0.5: R20.1 R21.1 R22.1 R23.1 R24.1 17.292,9.398 20.721,9.398 R25.1 R26.1 40.239,9.505 41.638,10.904 41.638,15.958 J1.1 ; R15.1 R14.1 R12.1 R10.1 R8.1 R6.1 R4.1 R2.2 ; IC1.15 30.048,45.974 31.346,47.272 31.346,59.159 33.401,61.214 IC1.8 ; IC2.15 29.718,74.168 34.648,79.098 v1(34.648,80.902) ; IC2.8 42.193,89.408 N1.1 48.464,83.137 62.563,83.137 63.246,83.82 C1.2 63.373,85.725 72.39,76.708 R17.1 ; IC3.8 40.894,33.655 U1.9 ; J2.3@45.39,22.562 J2.3 45.61,21.624 45.61,20.938 46.482,20.066 51.328,20.066 R18.2 56.391,18.943 59.94,18.943 60.4,19.403 60.965,19.403 61.968,18.4 75.118,18.4 75.133,18.415 78.886,18.415 78.892,18.421 79.457,18.421 LM1.3 ; J5.1 79.045,50.8 79.629,51.384 U2.2 79.629,54.444 79.922,54.737 88.226,54.737 88.519,54.444 C20.2 93.015,55.677 95.301,55.677 D2.1 ; LM1.5 86.61,15.189 87.07,15.649 C17.2 ; LM2.3 85.928,34.633 86.324,35.029 88.875,35.029 89.332,34.572 LM2.5
L: C7.1 IC1.13 JP2.6 R5.1 | length 59.3
  Top Layer w0.5: C7.1@10.033,45.847 11.811,47.625 11.811,54.229 10.033,56.007 JP2.6 ; C7.1 10.16,43.2 R5.1
  Bottom Layer w0.5: JP2.6 10.033,58.674 9.04,59.667 3.025,59.667 2.032,58.674 2.032,52.959 3.937,51.054 IC1.13
Net*1_1: *1.1 D3.1 | length 4.8
  Top Layer w1: D3.1 95.771,22.974 95.771,18.362 *1.1
NetC17_1: C17.1 C19.1 D3.2 LM1.1 LM2.1 | length 40
  Top Layer w1: LM2.1 82.524,31.903 85.753,28.674 85.753,20.899 C17.1
  Bottom Layer w1: LM1.1 81.588,21.997 C19.1 ; LM2.1 82.524,35.379 84.102,36.957 D3.2
NetD1_2: D1.2 L1.1 LM1.2 | length 20.3
  Top Layer w1: D1.2 67.564,17.018 L1.1
  Bottom Layer w0.5: L1.1 L1.1@70.841,20.295
  Bottom Layer w1: L1.1@70.841,20.295 LM1.2
NetD2_2: D2.2 L2.1 LM2.2 | length 21.9
  Top Layer w1: L2.1 84.074,41.562 84.328,41.308 84.328,34.04 84.303,34.014 84.303,33.732 LM2.2
  Bottom Layer w1: L2.1 86.741,39.243 92.837,39.243 D2.2
NetLED1_2: LED1.2 R18.1 | length 6
  Bottom Layer w0.5: R18.1 53.868,10.16 LED1.2
NetLED2_2: LED2.2 R19.1 | length 3.4
  Bottom Layer w0.5: LED2.2 87.366,60.579 87.62,60.833 R19.1
NetLS1_2: LS1.2 Q1.1 | length 10.2
  Top Layer w0.5: LS1.2 75.565,42.037 Q1.1
NetQ1_2: Q1.2 U2.3 | length 56.3
  Bottom Layer w0.5: Q1.2 78.105,46.863 78.994,47.752 97.409,47.752 98.933,49.276 98.933,57.15 92.964,63.119 80.518,63.119 79.629,62.23 U2.3
NetR1_2: R1.2 R3.2 R5.2 R7.2 R9.2 R11.2 R13.2 | length 19.6
  Bottom Layer w0.5: R1.2 R3.2 R5.2 R7.2 R9.2 R11.2 R13.2
NetR27_1: R27.1 U2.4 | length 26.9
  Top Layer w0.5: U2.4 77.089,58.578 82.146,53.52 82.146,40.49 80.411,38.755 R27.1
NetR28_1: R28.1 U2.1 | length 32.8
  Top Layer w0.5: R28.1 76.835,80.137 77.851,79.121 77.851,69.723 74.422,66.294 74.422,53.721 75.334,52.809 77.066,52.809 U2.1
NetR28_2: R28.2 U1.7 | length 10.4
  Bottom Layer w0.5: U1.7 57.816,73.437 58.324,73.437 65.024,80.137 R28.2
OK: C11.1 IC1.3 JP2.4 R9.1 | length 43.6
  Top Layer w0.5: JP2.4 15.113,56.07 18.164,53.02 18.164,47.501 C11.1 R9.1
  Bottom Layer w0.5: R9.1 19.848,39.862 33.004,39.862 34.279,41.137 34.279,47.868 34.864,48.453 36.261,48.453 IC1.3
PA0: J3.2 U1.10 | length 12.8
  Bottom Layer w0.5: U1.10 65.344,45.301 68.453,42.192 J3.2
PA1: J4.2 U1.11 | length 12.1
  Bottom Layer w0.5: U1.11 67.602,47.841 68.453,46.99 J4.2
PA2: J5.2 U1.12 | length 12.4
  Bottom Layer w0.5: U1.12 57.794,50.381 58.899,49.276 67.818,49.276 68.453,49.911 J5.2
PA3: J6.2 U1.13 | length 12.7
  Bottom Layer w0.5: U1.13 67.399,52.921 68.453,53.975 J6.2
PA4: J7.2 U1.14 | length 13.6
  Bottom Layer w0.5: U1.14 65.494,55.461 68.453,58.42 J7.2
PA5: J8.2 U1.15 | length 14.1
  Bottom Layer w0.5: U1.15 62.954,58.001 68.453,63.5 J8.2
PA6: J9.2 U1.16 | length 15.2
  Bottom Layer w0.5: U1.16 63.5,66.421 67.282,66.421 68.453,67.592 J9.2
PA7: R16.1 R17.2 U1.17 | length 16.6
  Top Layer w0.5: U1.17 64.75,70.211 R16.1 R17.2
PA8: IC3.2 U1.29 | length 57.6
  Top Layer w0.5: IC3.2 37.488,18.415 37.867,18.794 37.971,18.794 38.888,19.711 38.888,65.887 37.338,67.437 v1(37.211,67.437)
  Bottom Layer w0.5: v1(37.211,67.437) 40.475,70.701 U1.29
PA9: J1.3 U1.30 | length 66.3
  Top Layer w0.5: J1.3 46.736,18.669 47.752,19.685 51.054,19.685 53.213,21.844 53.213,49.911 52.296,50.828 v1(49.685,50.828)
  Bottom Layer w0.5: U1.30 48.425,68.161 49.685,66.901 v1(49.685,50.828)
PA10: J1.2 U1.31 | length 70.6
  Top Layer w0.5: v1(37.204,65.621) 33.962,62.379 33.962,14.044 34.671,13.335 42.545,13.335 44.247,15.037 44.247,15.291 J1.2@44.247,16.252
  Bottom Layer w0.5: v1(37.204,65.621) U1.31
PA11: IC1.9 U1.32 | length 14.5
  Bottom Layer w0.5: IC1.9 31.727,61.214 33.594,63.081 U1.32
PA12: IC1.2 U1.33 | length 17.8
  Bottom Layer w0.5: IC1.2 37.529,45.974 40.068,48.513 40.068,58.229 U1.33
PA15: IC1.1 U1.38 | length 17.3
  Bottom Layer w0.5: IC1.1 36.703,43.434 38.153,44.884 38.153,44.887 40.968,47.702 40.968,56.589 U1.38
PB0: N1.3 U1.19 | length 58.9
  Top Layer w0.5: N1.3 48.73,84.163 47.879,83.312 44.704,83.312 43.561,84.455 43.561,91.44 44.704,92.583 59.055,92.583 60.452,91.186 60.452,68.453 U1.19
PB1: N1.4 U1.21 | length 33.6
  Top Layer w0.5: N1.4 48.73,90.64 49.403,91.313 55.245,91.313 56.187,90.371 56.187,69.594 U1.21
PB3: N1.5 U1.39 | length 36.6
  Top Layer w0.5: U1.39 47.46,55.461 51.27,59.271 N1.5
PB4: N1.7 U1.40 | length 40.1
  Top Layer w0.5: U1.40 47.206,52.921 53.81,59.525 N1.7
PB5: N1.6 U1.41 | length 53.2
  Top Layer w0.5: U1.41 47.079,50.381 55.222,58.524 55.222,89.431 54.483,90.17 51.943,90.17 51.27,89.497 N1.6
PB6: IC3.9 U1.42 | length 25.3
  Top Layer w0.5: IC3.9 29.34,33.655 v1(29.34,38.712)
  Bottom Layer w0.5: v1(29.34,38.712) 38.839,38.712 39.878,39.751 39.878,45.339 U1.42
PB8: J2.2 U1.45 | length 23.2
  Bottom Layer w0.5: U1.45 47.879,37.262 J2.2
PB9: J2.1 U1.46 | length 24.7
  Top Layer w0.5: U1.46 47.409,40.221 50.444,37.186 J2.1
PB12: IC2.9 U1.25 | length 42.6
  Top Layer w0.5: IC2.9 30.988,89.408 31.88,88.516 31.88,70.609 33.147,69.342 37.973,69.342 38.862,70.231 38.862,80.01 39.713,80.861 U1.25
PB13: IC2.2 U1.26 | length 7.4
  Bottom Layer w0.5: IC2.2 38.227,74.168 U1.26
PB14: IC2.1 U1.27 | length 7.4
  Bottom Layer w0.5: IC2.1 38.227,71.628 U1.27
PB15: IC3.1 U1.28 | length 61.6
  Top Layer w0.5: IC3.1 36.906,15.951 38.43,15.951 39.878,17.399 39.878,72.517 40.602,73.241 U1.28
R: C9.1 IC1.14 JP2.5 R7.1 | length 61.9
  Top Layer w0.5: JP2.5 12.573,56.134 14.989,53.718 14.989,47.501 C9.1 R7.1
  Bottom Layer w0.5: R7.1 11.794,41.405 2.791,41.405 2.032,42.164 2.032,49.276 2.695,49.939 26.769,49.939 28.194,48.514 IC1.14
SCAN: C15.1 IC1.5 JP2.2 R13.1 | length 38
  Top Layer w0.5: JP2.2 20.193,52.355 21.745,50.803 21.745,47.597 C15.1 R13.1
  Bottom Layer w0.5: R13.1 24.419,42.022 30.635,42.022 32.258,43.645 32.258,52.705 33.147,53.594 IC1.5
T: C3.1 IC1.11 JP2.8 R1.1 | length 40.3
  Top Layer w0.5: R1.1 C3.1 5.588,47.752 5.588,55.075 4.953,55.71 JP2.8
  Bottom Layer w0.5: JP2.8 4.953,55.753 6.985,53.721 25.654,53.721 28.067,56.134 IC1.11
pads on no net: IC1.6 IC1.7 IC1.10 IC2.7 IC2.10 IC3.6 IC3.7 IC3.10 N1.8 U1.1 U1.2 U1.3 U1.4 U1.18 U1.22 U1.35 U1.36 U1.43 U1.47 U1.48
copper on no net:
  other v2: 5,5 95,5 5,95 95,95

## Polygon pours and split planes (outlines as drawn)
GND on Top Layer "Top Layer-GND" (solid, remove dead copper, pour order 1): 0,0 0,100 100,100 100,0
GND on Bottom Layer "Bottom Layer-GND" (solid, remove dead copper, pour order 0): 0,0 0,100 100,100 100,0

## Keep-outs
Keep-Out Layer:
  the board outline again, w0.254

## Silkscreen, mask and mechanical layers (free items; w line width, h text height)
Top Overlay:
  drawing of 2626 lines, arcs and shapes, not listed
  text "BORARD TX CONTROL V1" at 14.097,95.25 h1
  text "5V <- CH1+" at 17.145,91.44 h1
  text "T -> 5V" at 2.783,59.425 h1
  text "STM32F401CCU6" at 43.688,27.94 h1
  text "5V" at 41.402,24.511 h1
  text "GND" at 43.688,24.511 h1
  text "SCL" at 46.99,24.511 h1
  text "SDA" at 50.165,24.511 h1
  text "GND" at 40.513,18.161 h1
  text "RX" at 43.942,18.161 h1
  text "TX" at 46.355,18.161 h1
  text "5V" at 48.768,18.161 h1
  text "UART" at 44.323,13.081 h1
  text "SW" at 94.996,11.811 h1
  text "V-" at 86.106,6.858 h1
  text "V+" at 89.154,6.858 h1
  text "4V -> 35V" at 83.82,0.889 h1

## Text inside footprints (layer, text, board x,y; h text height)
LS1: Top Overlay "+" at 70.574,30.112 h1.52 r90